# KiCad board antmicro-hdmi-mipi-bridge-hw.kicad_pcb (continued)
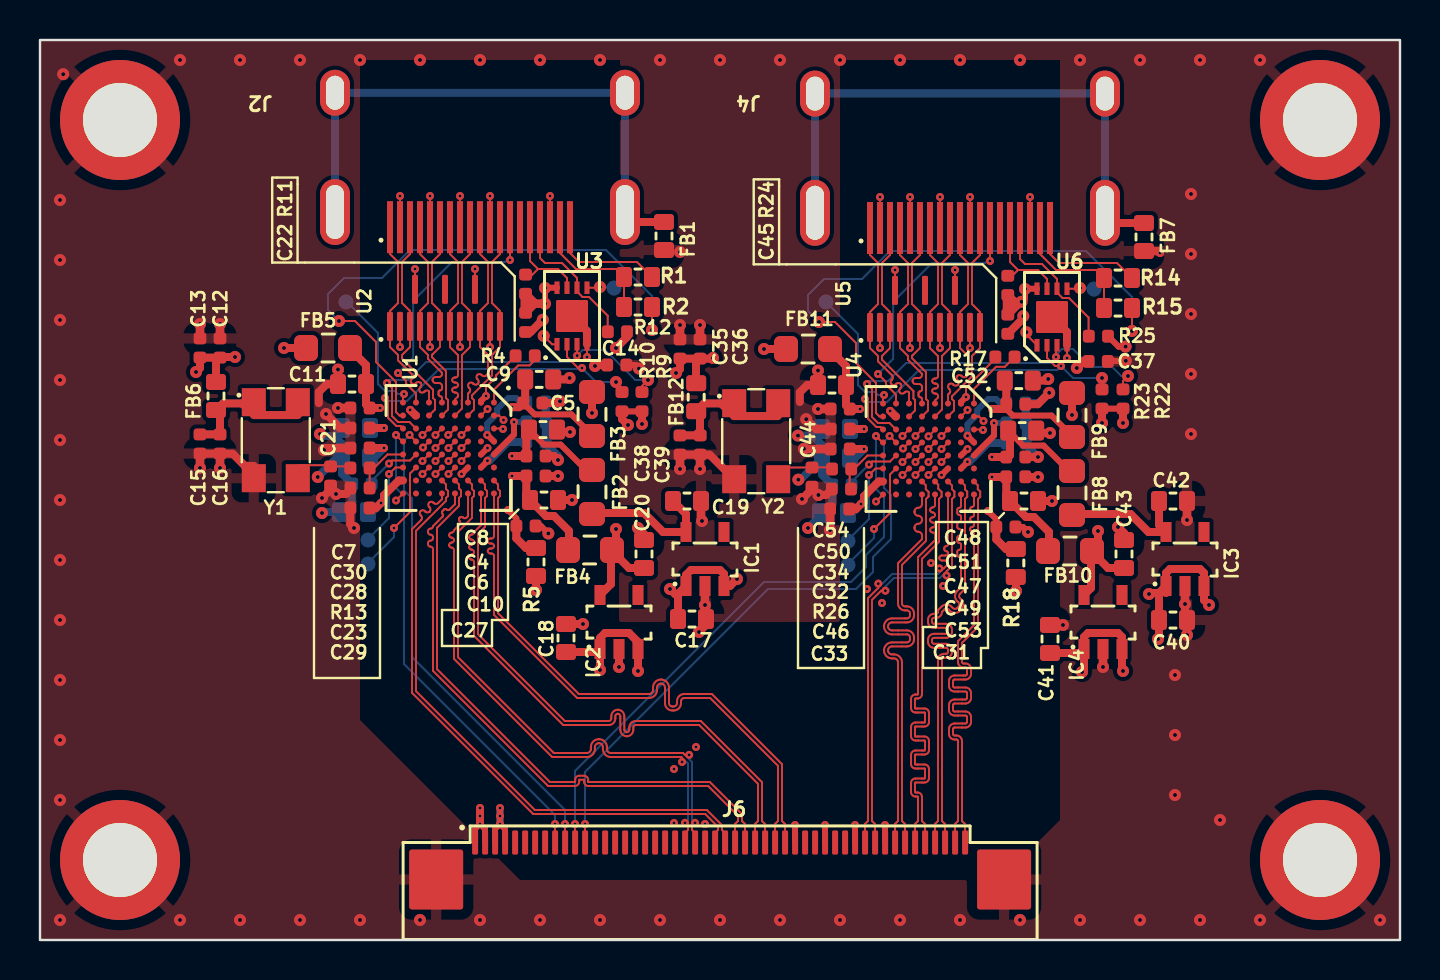
[diagram p0: board, top side]
## Routing (per net, layer and track width the routed paths; a pad name or vN(x,y) marks a point on that pad's centre or on a via; arc(x,y) is an arc through that point) (continued)
/Channel 2/HDMI2_DDC_SDA_3V3: length 18.9
  Top w0.1: 54.15,27.53 54.15,27.95 v2(54.4,28.2) ; 42.8,25.53 42.47,25.85 41.9,25.85 41.6,26.15 41.6,27.56 v1(41.35,27.8) ; v1(50.8,29.15) 50.8,29.69
  Bottom w0.1: v1(41.35,27.8) 41.5,27.95 42.41,27.95 43.31,28.85 50.5,28.85 v1(50.8,29.15) 50.8,29.25 51.1,29.55 51.65,29.55 52.55,28.65 53.61,28.65 54.06,28.2 v2(54.4,28.2)
/Channel 2/HDMI2_HPD: length 5.9
  Top w0.1: 50.5,35.59 50.5,34.3 50.95,33.85 53.85,33.85 R14.2
/Channel 2/HDMI2_HPDI: length 29.1
  Top w0.1: 42.15,26.17 41.97,26.17 41.8,26.35 41.8,27.85 40.8,28.85 40.8,29.85 39.75,30.9 v2(38.95,30.9) ; R15.2 v2(54.6,30.45)
  Bottom w0.1: v2(54.6,30.45) 54.6,32.15 52.3,34.45 42.5,34.45 41.1,33.05 39.2,33.05 38.4,32.25 38.4,31.45 v2(38.95,30.9)
/Channel 2/HDMI2_HPDO: length 6.8
  Top w0.1: v1(42.2,27.25) 42.22,27.25 42.15,27.18 42.15,26.83
  Bottom w0.1: TP7.1 40.9,30.3 40.9,27.75 41.25,27.4 41.75,27.4 41.9,27.25 v1(42.2,27.25)
/Channel 2/HDMI2_POWER: length 6.5
  Top w0.1: 50,35.59 50,34.3 50.8,33.5 52.8,33.5 R14.1 R15.1
CH1_1V2: length 7.5
  Top w0.4: IC2.5 28.55,17.8 28.55,19.5 29.45,18.6 C20.2 ; v2(28.8,20.55) 28.8,19.75 ; v2(27.6,26.35) 27.6,27.35 ; 13.35,29.6 v2(12.2,29.6)
CH1_2V5: length 6.9
  Top w0.4: C19.2 32.3,21.3 IC1.5 31.15,20.4 30.2,21.35 27.6,21.35
CH2_1V2: length 7.2
  Top w0.4: C43.2 53.4,18.6 52.55,19.45 52.55,17.6 IC4.5 ; v2(51.6,26.25) 51.6,27.3 ; 37.35,29.55 v2(36.2,29.55) ; v2(52.9,20.45) 52.9,19.8
CH2_2V5: length 6.8
  Top w0.4: C42.2 55.95,20.75 IC3.5 55.43,20.4 54.53,21.3 51.6,21.3
CSI1_CLK_N: length 27.9
  Top w0.1: 32.75,5.35 32.6,5.5 32.6,5.71 v1(32.75,5.86) ; 21.4,22.97 21.6,22.78 21.6,22.55 21.7,22.45 21.7,22.2 21.6,22.1 21.6,21.11 20.9,20.41 20.9,14.14 25.69,9.35 27.35,9.35 arc(27.49,9.41) 27.55,9.55 27.55,9.65 arc(27.66,9.92) 27.94,10.04 27.95,10.04 arc(28.23,9.92) 28.35,9.65 28.35,9.55 arc(28.4,9.41) 28.54,9.35 32.15,9.35 32.24,9.26 v1(32.46,9.26)
  Bottom w0.1: v1(32.75,5.86) 32.6,6.01 32.6,8.9 32.46,9.04 v1(32.46,9.26)
CSI1_CLK_P: length 27.9
  Top w0.1: 32.25,5.35 32.4,5.5 32.4,5.71 v1(32.25,5.86) ; 21.4,22.33 21.4,21.19 21.33,21.12 arc(21.24,21.09) 21.16,21.12 arc(21.07,21.16) 20.99,21.12 20.98,21.12 arc(20.94,21.03) 20.98,20.94 arc(21.02,20.86) 20.98,20.77 20.7,20.49 arc(20.66,20.41) 20.58,20.37 arc(20.49,20.33) 20.46,20.25 20.46,20.24 arc(20.49,20.16) 20.58,20.12 arc(20.66,20.08) 20.7,20 20.7,19.99 arc(20.66,19.91) 20.58,19.87 arc(20.49,19.83) 20.46,19.75 20.46,19.74 arc(20.49,19.66) 20.58,19.62 arc(20.66,19.58) 20.7,19.5 20.7,14.06 25.61,9.15 27.35,9.15 arc(27.63,9.27) 27.75,9.55 27.75,9.65 arc(27.8,9.78) 27.94,9.84 27.95,9.84 arc(28.09,9.78) 28.15,9.65 28.15,9.55 arc(28.26,9.27) 28.54,9.15 32.07,9.15 32.1,9.11 v1(32.1,8.9)
  Bottom w0.1: v1(32.1,8.9) 32.32,8.9 32.4,8.82 32.4,6.01 v1(32.25,5.86)
CSI1_D1_N: length 29.8
  Top w0.1: 20.1,22.97 20.3,22.78 20.3,22.55 20.4,22.45 20.4,22.2 20.3,22.1 20.3,21.96 18.8,20.46 18.8,12.44 24.74,6.5 33.34,6.5 34.1,5.74 34.1,5.5 34.25,5.35
CSI1_D1_P: length 29.8
  Top w0.1: 33.75,5.35 33.9,5.5 33.9,5.66 33.26,6.3 24.66,6.3 18.6,12.36 18.6,20.54 19.06,21 arc(19.1,21.1) 19.06,21.21 19.03,21.23 arc(18.99,21.34) 19.03,21.44 arc(19.14,21.49) 19.24,21.44 19.27,21.42 arc(19.37,21.38) 19.48,21.42 arc(19.52,21.53) 19.48,21.63 19.46,21.66 arc(19.41,21.76) 19.46,21.87 arc(19.56,21.91) 19.67,21.87 19.69,21.85 arc(19.8,21.8) 19.9,21.85 20.1,22.04 20.1,22.33
CSI1_D2_N: length 30.2
  Top w0.1: 35.25,4.9 35.25,5.8 35.1,5.95 35.1,6.29 33.49,7.9 27.41,7.9 arc(27.41,7.9) 27.41,7.91 27.41,8.01 arc(27.35,8.15) 27.2,8.21 26.96,8.21 arc(26.82,8.15) 26.76,8.01 26.76,7.91 arc(26.75,7.9) 26.75,7.9 25.49,7.9 19.85,13.54 19.85,20.61 20.95,21.71 20.95,22.1 21.05,22.2 21.05,22.48 20.95,22.58 20.95,22.78 U1.D7
CSI1_D2_P: length 30.2
  Top w0.1: 34.75,4.9 34.75,5.8 34.9,5.95 34.9,6.21 33.41,7.7 27.41,7.7 arc(27.27,7.76) 27.21,7.91 27.21,8.01 arc(27.2,8.01) 27.2,8.01 26.96,8.01 arc(26.96,8.01) 26.96,8.01 26.96,7.91 arc(26.9,7.76) 26.75,7.7 25.41,7.7 19.65,13.46 19.65,19.54 arc(19.61,19.63) 19.53,19.67 arc(19.44,19.7) 19.4,19.79 19.4,19.84 arc(19.44,19.93) 19.53,19.97 arc(19.61,20) 19.65,20.09 19.65,20.14 arc(19.61,20.23) 19.53,20.27 arc(19.44,20.3) 19.4,20.39 19.4,20.44 arc(19.44,20.53) 19.53,20.57 arc(19.61,20.6) 19.65,20.69 20.13,21.17 arc(20.16,21.24) 20.13,21.31 arc(20.1,21.38) 20.13,21.45 20.2,21.52 arc(20.27,21.55) 20.34,21.52 arc(20.41,21.49) 20.48,21.52 20.75,21.79 20.75,22.33
CSI1_D3_N: length 30
  Top w0.1: 36.25,4.9 36.25,5.8 36.1,5.95 36.1,7.89 33.04,10.95 29.79,10.95 arc(29.56,10.85) 29.47,10.62 29.47,10.51 arc(29.43,10.42) 29.34,10.39 arc(29.25,10.42) 29.22,10.51 29.22,11.19 arc(29.12,11.42) 28.89,11.51 arc(28.66,11.42) 28.56,11.19 28.56,11.08 arc(28.53,10.99) 28.44,10.95 26.24,10.95 21.9,15.29 21.9,20.31 22.25,20.66 22.25,22.1 22.35,22.2 22.35,22.45 22.25,22.55 22.25,22.78 22.05,22.97
CSI1_D3_P: length 30
  Top w0.1: 22.05,22.33 22.05,20.74 21.7,20.39 arc(21.66,20.31) 21.58,20.27 arc(21.49,20.23) 21.46,20.15 21.46,20.14 arc(21.49,20.06) 21.58,20.02 arc(21.66,19.98) 21.7,19.9 21.7,19.89 arc(21.66,19.81) 21.58,19.77 arc(21.49,19.73) 21.46,19.65 21.46,19.64 arc(21.49,19.56) 21.58,19.52 arc(21.66,19.48) 21.7,19.4 21.7,19.39 arc(21.66,19.31) 21.58,19.27 arc(21.49,19.23) 21.46,19.15 21.46,19.14 arc(21.49,19.06) 21.58,19.02 arc(21.66,18.98) 21.7,18.9 21.7,15.21 26.16,10.75 28.44,10.75 arc(28.67,10.85) 28.76,11.08 28.76,11.19 arc(28.8,11.28) 28.89,11.31 arc(28.98,11.28) 29.01,11.19 29.01,10.51 arc(29.11,10.28) 29.34,10.19 arc(29.57,10.28) 29.66,10.51 29.66,10.62 arc(29.7,10.71) 29.79,10.75 32.96,10.75 35.9,7.81 35.9,5.95 35.75,5.8 35.75,4.9
CSI1_D4_N: length 30
  Top w0.1: 22.7,22.97 22.9,22.78 22.9,22.55 23,22.45 23,22.2 22.9,22.1 22.9,16.34 26.94,12.3 30.45,12.3 arc(30.59,12.36) 30.65,12.5 30.65,12.62 arc(30.77,12.91) 31.05,13.02 arc(31.33,12.91) 31.45,12.62 31.45,11.84 arc(31.5,11.72) 31.61,11.68 31.69,11.68 arc(31.8,11.72) 31.85,11.84 31.85,11.94 arc(31.96,12.19) 32.21,12.3 33.59,12.3 37.1,8.79 37.1,5.95 37.25,5.8 37.25,4.9
CSI1_D4_P: length 30
  Top w0.1: 22.7,22.33 22.7,20.2 arc(22.66,20.11) 22.57,20.08 22.51,20.08 arc(22.43,20.04) 22.39,19.95 arc(22.43,19.86) 22.51,19.83 22.57,19.83 arc(22.66,19.79) 22.7,19.7 arc(22.66,19.61) 22.57,19.58 22.51,19.58 arc(22.43,19.54) 22.39,19.45 arc(22.43,19.36) 22.51,19.33 22.57,19.33 arc(22.66,19.29) 22.7,19.2 22.7,16.26 26.86,12.1 30.45,12.1 arc(30.73,12.22) 30.85,12.5 30.85,12.62 arc(30.91,12.76) 31.05,12.82 arc(31.19,12.76) 31.25,12.62 31.25,11.84 arc(31.36,11.58) 31.61,11.48 31.69,11.48 arc(31.94,11.58) 32.05,11.84 32.05,11.94 arc(32.1,12.05) 32.21,12.1 33.51,12.1 36.9,8.71 36.9,5.95 36.75,5.8 36.75,4.9
CSI3_CLK_N: length 21.5
  Top w0.1: 41.75,4.9 41.75,5.8 41.6,5.95 41.6,17.01 42.06,17.46 v1(42.27,17.46) ; v1(45.33,18.22) 45.33,18.44 45.6,18.71 45.6,22.05 45.72,22.17 45.72,22.42 45.6,22.54 45.6,22.72 45.4,22.92
  Bottom w0.1: v1(45.33,18.22) 45.11,18.22 44.99,18.1 42.69,18.1 42.27,17.68 v1(42.27,17.46)
CSI3_CLK_P: length 21.6
  Top w0.1: v1(44.97,18.58) 45.19,18.58 45.4,18.79 45.4,18.85 arc(45.36,18.94) 45.28,18.97 45.09,18.97 arc(45,19.01) 44.96,19.1 arc(45,19.19) 45.09,19.22 45.28,19.22 arc(45.36,19.26) 45.4,19.35 arc(45.37,19.42) 45.31,19.44 arc(45.24,19.47) 45.21,19.54 45.21,19.6 arc(45.24,19.67) 45.31,19.69 arc(45.37,19.72) 45.4,19.79 U4.C8 ; v1(41.91,17.82) 41.91,17.61 41.4,17.09 41.4,5.95 41.25,5.8 41.25,4.9
  Bottom w0.1: v1(44.97,18.58) 44.97,18.36 44.91,18.3 42.61,18.3 42.13,17.82 v1(41.91,17.82)
CSI3_D1_N: length 22.8
  Top w0.1: 44.1,22.92 44.29,22.73 44.29,22.54 44.43,22.4 44.43,22.18 44.3,22.05 44.3,19.96 43.1,18.76 43.1,16.83 arc(43.14,16.72) 43.25,16.68 43.35,16.68 arc(43.6,16.58) 43.7,16.33 43.7,16.23 arc(43.6,15.98) 43.35,15.88 42.6,15.88 arc(42.46,15.82) 42.4,15.68 arc(42.46,15.54) 42.6,15.48 43.35,15.48 arc(43.6,15.38) 43.7,15.13 43.7,15.03 arc(43.6,14.78) 43.35,14.68 42.6,14.68 arc(42.46,14.62) 42.4,14.48 arc(42.46,14.34) 42.6,14.28 42.7,14.28 arc(42.98,14.16) 43.1,13.88 43.1,5.95 43.25,5.8 43.25,4.9
CSI3_D1_P: length 22.8
  Top w0.1: U4.E8 44.1,21.8 arc(44.04,21.67) 43.91,21.61 arc(43.78,21.56) 43.72,21.42 43.72,21.4 arc(43.78,21.27) 43.91,21.21 arc(44.04,21.16) 44.1,21.02 44.1,21 arc(44.04,20.87) 43.91,20.81 arc(43.78,20.76) 43.72,20.62 43.72,20.6 arc(43.78,20.47) 43.91,20.41 arc(44.04,20.36) 44.1,20.22 44.1,20.04 42.9,18.84 42.9,16.83 arc(43,16.58) 43.25,16.48 43.35,16.48 arc(43.46,16.44) 43.5,16.33 43.5,16.23 arc(43.46,16.12) 43.35,16.08 42.6,16.08 arc(42.32,15.96) 42.2,15.68 arc(42.32,15.4) 42.6,15.28 43.35,15.28 arc(43.46,15.24) 43.5,15.13 43.5,15.03 arc(43.46,14.92) 43.35,14.88 42.6,14.88 arc(42.32,14.76) 42.2,14.48 arc(42.32,14.2) 42.6,14.08 42.7,14.08 arc(42.84,14.02) 42.9,13.88 42.9,5.95 42.75,5.8 42.75,4.9
CSI3_D2_N: length 22.7
  Top w0.1: 44.25,4.9 44.25,5.8 44.1,5.95 44.1,7.15 arc(44.03,7.31) 43.88,7.38 43.78,7.38 arc(43.76,7.38) 43.75,7.4 43.75,7.85 arc(43.76,7.87) 43.78,7.88 44.22,7.88 arc(44.38,7.94) 44.45,8.1 44.45,8.55 arc(44.38,8.71) 44.22,8.78 43.78,8.78 arc(43.76,8.78) 43.75,8.8 43.75,9.25 arc(43.76,9.27) 43.78,9.28 44.22,9.28 arc(44.38,9.34) 44.45,9.5 44.45,9.95 arc(44.38,10.11) 44.22,10.17 43.78,10.17 arc(43.76,10.18) 43.75,10.2 43.75,10.65 arc(43.76,10.67) 43.78,10.67 44.22,10.67 arc(44.38,10.74) 44.45,10.9 44.45,11.35 arc(44.38,11.51) 44.22,11.58 43.78,11.58 arc(43.76,11.58) 43.75,11.6 43.75,12.05 arc(43.76,12.07) 43.78,12.08 43.88,12.08 arc(44.03,12.14) 44.1,12.3 44.1,19.06 44.95,19.91 44.95,22.05 45.08,22.18 45.08,22.4 44.91,22.57 44.91,22.77 44.75,22.92
CSI3_D2_P: length 22.7
  Top w0.1: 44.75,22.28 44.75,21.75 arc(44.71,21.66) 44.63,21.63 arc(44.54,21.59) 44.51,21.51 44.51,21.5 arc(44.54,21.41) 44.63,21.38 arc(44.71,21.34) 44.75,21.26 44.75,21.25 arc(44.71,21.16) 44.63,21.13 arc(44.54,21.09) 44.51,21.01 44.51,21 arc(44.54,20.91) 44.63,20.88 arc(44.71,20.84) 44.75,20.76 44.75,20.75 arc(44.71,20.66) 44.63,20.63 arc(44.54,20.59) 44.51,20.51 44.51,20.5 arc(44.54,20.41) 44.63,20.38 arc(44.71,20.34) 44.75,20.26 44.75,19.99 43.9,19.14 43.9,12.3 arc(43.89,12.28) 43.88,12.28 43.78,12.28 arc(43.62,12.21) 43.55,12.05 43.55,11.6 arc(43.62,11.44) 43.78,11.38 44.22,11.38 arc(44.24,11.37) 44.25,11.35 44.25,10.9 arc(44.24,10.88) 44.22,10.88 43.78,10.88 arc(43.62,10.81) 43.55,10.65 43.55,10.2 arc(43.62,10.04) 43.78,9.97 44.22,9.97 arc(44.24,9.97) 44.25,9.95 44.25,9.5 arc(44.24,9.48) 44.22,9.47 43.78,9.47 arc(43.62,9.41) 43.55,9.25 43.55,8.8 arc(43.62,8.64) 43.78,8.58 44.22,8.58 arc(44.24,8.57) 44.25,8.55 44.25,8.1 arc(44.24,8.08) 44.22,8.08 43.78,8.08 arc(43.62,8.01) 43.55,7.85 43.55,7.4 arc(43.62,7.24) 43.78,7.17 43.88,7.17 arc(43.89,7.17) 43.9,7.15 43.9,5.95 43.75,5.8 43.75,4.9
CSI3_D3_N: length 22.6
  Top w0.1: 45.25,4.9 45.25,5.8 45.1,5.95 45.1,14.01 arc(45.13,14.08) 45.2,14.11 45.3,14.11 arc(45.51,14.2) 45.6,14.41 45.6,14.51 arc(45.51,14.72) 45.3,14.81 44.7,14.81 arc(44.63,14.84) 44.6,14.91 44.6,15.01 arc(44.63,15.08) 44.7,15.11 45.3,15.11 arc(45.51,15.2) 45.6,15.41 45.6,15.51 arc(45.51,15.72) 45.3,15.81 44.7,15.81 arc(44.63,15.84) 44.6,15.91 44.6,16.01 arc(44.63,16.08) 44.7,16.11 44.8,16.11 arc(45.01,16.2) 45.1,16.41 45.22,16.53 arc(45.32,16.57) 45.43,16.53 45.5,16.46 arc(45.75,16.35) 46,16.46 46.07,16.53 arc(46.17,16.77) 46.07,17.02 46,17.09 arc(45.95,17.2) 46,17.3 46.25,17.56 46.25,22.05 46.36,22.16 46.36,22.42 46.25,22.53 46.25,22.72 46.05,22.92
CSI3_D3_P: length 22.7
  Top w0.1: 44.75,4.9 44.75,5.8 44.9,5.95 44.9,14.01 arc(44.99,14.22) 45.2,14.31 45.3,14.31 arc(45.37,14.34) 45.4,14.41 45.4,14.51 arc(45.37,14.58) 45.3,14.61 44.7,14.61 arc(44.49,14.7) 44.4,14.91 44.4,15.01 arc(44.49,15.22) 44.7,15.31 45.3,15.31 arc(45.37,15.34) 45.4,15.41 45.4,15.51 arc(45.37,15.58) 45.3,15.61 44.7,15.61 arc(44.49,15.7) 44.4,15.91 44.4,16.01 arc(44.49,16.22) 44.7,16.31 44.8,16.31 arc(44.87,16.34) 44.9,16.41 44.9,16.49 45.08,16.67 arc(45.32,16.77) 45.57,16.67 45.64,16.6 arc(45.75,16.55) 45.85,16.6 45.93,16.67 arc(45.97,16.77) 45.93,16.88 45.85,16.95 arc(45.75,17.2) 45.85,17.45 46.05,17.64 46.05,19.06 arc(46.02,19.13) 45.96,19.16 arc(45.89,19.18) 45.86,19.25 45.86,19.41 arc(45.89,19.48) 45.96,19.51 arc(46.02,19.53) 46.05,19.6 46.05,19.76 arc(46.02,19.83) 45.96,19.86 arc(45.89,19.88) 45.86,19.95 45.86,20.11 arc(45.89,20.18) 45.96,20.21 arc(46.02,20.23) 46.05,20.3 46.05,20.46 arc(46.02,20.53) 45.96,20.56 arc(45.89,20.58) 45.86,20.65 45.86,20.81 arc(45.89,20.88) 45.96,20.91 arc(46.02,20.93) 46.05,21 46.05,21.16 arc(46.02,21.23) 45.96,21.26 arc(45.89,21.28) 45.86,21.35 45.86,21.51 arc(45.89,21.58) 45.96,21.61 arc(46.02,21.63) 46.05,21.7 U4.B8
CSI3_D4_N: length 22.9
  Top w0.1: 46.7,22.92 46.89,22.73 46.89,22.54 47.01,22.42 47.01,22.16 46.9,22.05 46.9,15.66 46.1,14.86 46.1,13.9 arc(46.12,13.85) 46.18,13.83 46.28,13.83 arc(46.47,13.74) 46.55,13.55 46.55,13.3 arc(46.47,13.11) 46.28,13.03 45.72,13.03 arc(45.67,13) 45.65,12.95 45.65,12.7 arc(45.67,12.65) 45.72,12.62 46.28,12.62 arc(46.47,12.54) 46.55,12.35 46.55,12.1 arc(46.47,11.91) 46.28,11.83 45.72,11.83 arc(45.67,11.8) 45.65,11.75 45.65,11.5 arc(45.67,11.45) 45.72,11.42 46.28,11.42 arc(46.47,11.34) 46.55,11.15 46.55,10.9 arc(46.47,10.71) 46.28,10.62 45.72,10.62 arc(45.67,10.6) 45.65,10.55 45.65,10.3 arc(45.67,10.25) 45.72,10.22 45.82,10.22 arc(46.02,10.14) 46.1,9.95 46.1,5.95 46.25,5.8 46.25,4.9
CSI3_D4_P: length 23
  Top w0.1: U4.A8 46.7,21.75 arc(46.67,21.68) 46.61,21.66 arc(46.54,21.63) 46.51,21.56 46.51,21.5 arc(46.54,21.43) 46.61,21.41 arc(46.67,21.38) 46.7,21.31 46.7,21.25 arc(46.67,21.18) 46.61,21.16 arc(46.54,21.13) 46.51,21.06 46.51,21 arc(46.54,20.93) 46.61,20.91 arc(46.67,20.88) 46.7,20.81 46.7,20.75 arc(46.67,20.68) 46.61,20.66 arc(46.54,20.63) 46.51,20.56 46.51,20.5 arc(46.54,20.43) 46.61,20.41 arc(46.67,20.38) 46.7,20.31 46.7,20.25 arc(46.67,20.18) 46.61,20.16 arc(46.54,20.13) 46.51,20.06 46.51,20 arc(46.54,19.93) 46.61,19.91 arc(46.67,19.88) 46.7,19.81 46.7,15.74 45.9,14.94 45.9,13.9 arc(45.98,13.71) 46.18,13.62 46.28,13.62 arc(46.33,13.6) 46.35,13.55 46.35,13.3 arc(46.33,13.25) 46.28,13.22 45.72,13.22 arc(45.53,13.14) 45.45,12.95 45.45,12.7 arc(45.53,12.51) 45.72,12.42 46.28,12.42 arc(46.33,12.4) 46.35,12.35 46.35,12.1 arc(46.33,12.05) 46.28,12.03 45.72,12.03 arc(45.53,11.94) 45.45,11.75 45.45,11.5 arc(45.53,11.31) 45.72,11.22 46.28,11.22 arc(46.33,11.2) 46.35,11.15 46.35,10.9 arc(46.33,10.85) 46.28,10.83 45.72,10.83 arc(45.53,10.74) 45.45,10.55 45.45,10.3 arc(45.53,10.11) 45.72,10.03 45.82,10.03 arc(45.88,10) 45.9,9.95 45.9,5.95 45.75,5.8 45.75,4.9
I2C1_SCL: length 24.1
  Top w0.1: 18.12,24.92 v1(17.8,25.25) ; 25.75,4.9 v1(25.75,5.8)
  Bottom w0.1: v1(17.8,25.25) 17.8,22.6 18.2,22.2 18.2,13.8 25.75,6.25 v1(25.75,5.8)
I2C1_SDA: length 24.3
  Top w0.1: 18.8,24.93 v1(18.48,25.25) ; 26.25,4.9 v1(26.25,5.8)
  Bottom w0.1: v1(26.25,5.8) 26.25,6.5 18.6,14.15 18.6,22.08 18.2,22.48 18.2,24.97 v1(18.48,25.25)
I2C3_SCL: length 29.9
  Top w0.1: 42.12,24.88 v1(41.8,25.2) ; 26.75,4.9 v1(26.75,5.8)
  Bottom w0.1: v1(41.8,25.2) 41.8,22.55 42.2,22.15 42.2,20.15 41.3,19.25 41.3,18.65 40.55,17.9 36.2,17.9 26.75,8.45 v1(26.75,5.8)
I2C3_SDA: length 29.9
  Top w0.1: 42.8,24.88 v1(42.48,25.2) ; 27.25,4.9 v1(27.25,5.8)
  Bottom w0.1: v1(27.25,5.8) 27.25,8.4 36.4,17.55 40.8,17.55 41.65,18.4 41.65,19.15 42.55,20.05 42.55,22.25 42.2,22.6 42.2,24.92 v1(42.48,25.2)
Net-(C5-Pad1): length 11
  Top w0.1: 20.75,25.56 20.44,25.25 v1(20.41,25.25) ; 22.05,26.22 v1(22.38,26.55)
  Top w0.3: 27.6,25.25 26.57,26.28 24.73,26.28 C5.1
  Top w0.4: C9.2 24.26,26.95 C5.1 23.95,26.64 v1(23.59,26.64)
  In2.Cu w0.4: v1(20.41,25.25) 20.41,25.81 21.15,26.55 v1(22.38,26.55) 22.55,26.72 23.38,26.72 23.46,26.64 v1(23.59,26.64)
Net-(C10-Pad2): length 11.8
  Top w0.1: 19.45,23.62 v1(19.12,23.3)
  Top w0.3: 21.4,23.62 v1(21.07,23.3)
  Top w0.4: v1(23.6,23.2) 24.31,23.2 24.31,22.19 C10.2 25.3,21.2 25.7,21.2 26.45,20.45 26.45,19.5
  In2.Cu w0.4: v1(19.12,23.3) 19.12,23.24 19.57,22.8 20.7,22.8 21.07,23.17 v1(21.07,23.3) 21.57,22.8 23.2,22.8 v1(23.6,23.2)
Net-(C27-Pad2): length 17.9
  Top w0.1: 19.45,24.28 v1(19.12,23.95) ; 21.4,25.58 v1(21.07,25.25)
  Top w0.3: v1(23.4,21.5) 23.81,21.08 23.81,20.7
  Top w0.4: R5.1 24.3,19.6 23.81,20.08 23.81,20.7
  In2.Cu w0.4: v1(21.07,25.25) 21.25,25.25 21.7,24.8 21.7,23.8 22.2,23.3 22.99,23.3 23.39,23.7 23.9,23.7 24.1,23.5 24.1,22.2 v1(23.4,21.5) 19,21.5 18.62,21.88 18.62,23.51 19.07,23.95 v1(19.12,23.95)
Net-(C31-Pad2): length 17.9
  Top w0.1: U4.C3 v1(45.07,25.2) ; 43.45,24.22 v1(43.12,23.9)
  Top w0.3: C31.2 47.81,21.03 v1(47.4,21.45)
  Top w0.4: C31.2 47.81,20.03 48.3,19.55 48.8,19.55
  In2.Cu w0.4: v1(43.12,23.9) 43.07,23.9 42.62,23.46 42.62,21.83 43,21.45 v1(47.4,21.45) 48.1,22.15 48.1,23.45 47.9,23.65 47.39,23.65 46.99,23.25 46.2,23.25 45.7,23.75 45.7,24.75 45.25,25.2 v1(45.07,25.2)
Net-(C48-Pad1): length 11.1
  Top w0.1: 44.75,25.51 v1(44.43,25.19) ; U4.B2 v1(46.38,26.5)
  Top w0.3: 48.31,26.55 48.65,26.22 50.58,26.22 51.6,25.2
  Top w0.4: v1(47.6,26.55) 48.31,26.55 48.31,27.89 C52.2
  In2.Cu w0.4: v1(44.43,25.19) 44.43,25.78 45.15,26.5 v1(46.38,26.5) 46.55,26.67 47.38,26.67 47.51,26.55 v1(47.6,26.55)
Net-(C49-Pad1): length 11.8
  Top w0.1: 43.45,23.58 v1(43.12,23.25)
  Top w0.3: U4.C6 v1(45.07,23.25)
  Top w0.4: 50.45,19.45 50.45,20.4 49.7,21.15 49.3,21.15 C53.2 48.31,22.14 48.31,23.15 v1(47.6,23.15)
  In2.Cu w0.4: v1(43.12,23.25) 43.12,23.19 43.57,22.75 44.7,22.75 45.07,23.12 v1(45.07,23.25) 45.57,22.75 47.2,22.75 v1(47.6,23.15)
Net-(FB1-Pad2): length 27.9
  Top w0.4: FB1.2 29.75,35.9
  Bottom w0.4: 29.25,36.4 29.25,42.36 J2.SH J2.SH
Net-(FB7-Pad2): length 27.9
  Top w0.4: FB7.2 53.75,35.85
  Bottom w0.4: 53.25,36.37 53.25,42.33 38.75,42.33 38.75,36.37
Net-(U1A-EDID_SCL): length 4.5
  Top w0.1: 18.15,23.62 17.78,23.62 v1(17.45,23.3)
  Bottom w0.1: 16.4,20.05 17.45,21.1 v1(17.45,23.3)
Net-(U1A-EDID_SDA): length 5.8
  Top w0.1: v1(17.7,20.6) 18.5,21.4 18.5,23.33 18.8,23.62
  Bottom w0.1: v1(17.7,20.6) 17.7,20.15 16.4,18.85
Net-(U1B-AVDD25): length 7.7
  Top w0.3: C8.2 25.2,24.77 26.03,24.77 27.35,23.45 ; 22.05,24.28 v1(22.38,24.6)
  Top w0.4: v1(23.6,24.2) 24.31,24.2 24.31,25.39 C8.2
  In2.Cu w0.4: v1(23.6,24.2) 23.2,24.6 v1(22.38,24.6)
Net-(U1B-REXT): length 3.6
  Top w0.1: 24.97,29.22 24.48,28.73 23.91,28.73 22.7,27.52 22.7,26.88
Net-(U1B-VDDC1): length 22.8
  Top w0.4: v1(18.51,26.51) 18.79,26.22 U1.G2 ; v1(17,26.6) 16.49,26.6 16.3,26.78 C11.2 16.3,28.75 15.45,29.6 ; v2(24.8,17.5) R5.2
  In2.Cu w0.4: v1(18.51,26.51) 17.09,26.51 v1(17,26.6) 16.3,25.9 16.3,20.4 19.2,17.5 v2(24.8,17.5)
Net-(U1B-VDDIO1): length 4
  Top w0.1: 19.45,24.92 v1(19.15,24.62)
  Top w0.4: 16.49,24.6 v1(17.2,24.6)
  In2.Cu w0.4: v1(17.2,24.6) 17.22,24.62 v1(19.15,24.62)
  Bottom w0.4: R6.1 16.7,24.1 v1(17.2,24.6)
Net-(U1B-VDDIO2): length 3.2
  Top w0.4: 16.49,21.6 16.8,21.6 v1(17.05,21.85) 17.2,22 17.2,22.24 17.94,22.97 U1.H7
  Bottom w0.4: R7.1 16.6,21.4 v1(17.05,21.85)
Net-(U1C-BIASDA): length 3.7
  Top w0.3: 22.7,24.92 22.38,25.25 v1(22.36,25.25)
  Bottom w0.3: 24.31,26.9 24,26.9 23.8,27.1 23.41,27.1 22.86,26.54 22.86,26.32 22.36,25.82 v1(22.36,25.25)
Net-(U1C-DAOUT): length 2.7
  Top w0.3: v1(23.7,25.9) 23.7,25.28 22.7,24.28
  Bottom w0.3: v1(23.7,25.9) 24.31,25.9
Net-(U1C-PCKIN): length 2.8
  Top w0.3: v1(22.37,23.96) 22.37,23.95 22.05,23.62
  Bottom w0.4: v1(22.37,23.96) 22.46,23.96 23.4,24.9 24.31,24.9
Net-(U3-EN): length 1.4
  Top w0.1: 27.35,32.61 27.96,32.61 v2(28,32.65)
  Bottom w0.1: v2(28,32.65) 28.7,32.65
Net-(U4A-EDID_SCL): length 4.5
  Top w0.1: v1(41.45,23.25) 41.78,23.58 42.15,23.58
  Bottom w0.1: v1(41.45,23.25) 41.45,21.05 40.4,20
Net-(U4A-EDID_SDA): length 5.8
  Top w0.1: 42.8,23.58 42.5,23.28 42.5,21.35 v1(41.7,20.55)
  Bottom w0.1: v1(41.7,20.55) 41.7,20.1 40.4,18.8
Net-(U4B-AVDD25): length 7.6
  Top w0.3: U4.B5 v1(46.38,24.55) ; 51.35,23.55 50.18,24.72 49.16,24.72 C51.2
  Top w0.4: v1(47.6,24.15) 48.41,24.15 48.5,24.24 48.5,25.35
  In2.Cu w0.4: v1(46.38,24.55) 47.2,24.55 v1(47.6,24.15)
Net-(U4B-REXT): length 3.6
  Top w0.1: U4.A1 46.7,27.56 47.8,28.66 48.24,28.66 48.72,29.14 48.96,29.14
Net-(U4B-VDDC1): length 26.8
  Top w0.4: 39.45,29.55 40.3,28.7 C54.2 40.3,26.73 40.49,26.55 v1(41,26.55) ; v2(48.8,17.45) 48.8,18.15 ; v1(42.51,26.46) 42.79,26.17 42.8,26.17
  In2.Cu w0.4: v2(48.8,17.45) 47.15,15.8 40.3,15.8 40.3,25.85 v1(41,26.55) 41.09,26.46 v1(42.51,26.46)
Net-(U4B-VDDIO1): length 4
  Top w0.1: 43.45,24.88 v1(43.15,24.58)
  Top w0.4: 40.49,24.55 v1(41.2,24.55)
  In2.Cu w0.4: v1(43.15,24.58) 41.22,24.58 v1(41.2,24.55)
  Bottom w0.4: v1(41.2,24.55) 40.7,24.05 40.5,24.05
Net-(U4B-VDDIO2): length 3.2
  Top w0.4: 40.49,21.55 40.8,21.55 v1(41.05,21.8) 41.2,21.95 41.2,22.19 41.94,22.92 42.15,22.92
  Bottom w0.4: v1(41.05,21.8) 40.6,21.35 R20.1
Net-(U4C-BIASDA): length 3.7
  Top w0.3: U4.A4 46.38,25.2 v1(46.38,25.21)
  Bottom w0.3: v1(46.38,25.21) 46.38,25.79 46.86,26.27 46.86,26.49 47.41,27.05 47.8,27.05 48,26.85 48.31,26.85
Net-(U4C-DAOUT): length 2.7
  Top w0.3: v1(47.7,25.85) 47.7,25.22 U4.A5
  Bottom w0.3: v1(47.7,25.85) 48.31,25.85
Net-(U4C-PCKIN): length 2.8
  Top w0.3: v1(46.37,23.91) 46.37,23.9 U4.B6
  Bottom w0.4: v1(46.37,23.91) 46.46,23.91 47.4,24.85 48.31,24.85
Net-(U6-EN): length 1.4
  Top w0.1: v2(52,32.6) 51.96,32.56 51.35,32.56
  Bottom w0.1: v2(52,32.6) 52.7,32.6
Net-(Y1-EN): length 6.1
  Top w0.4: 8,25.28 9,25.28 9,26.28 ; 10.46,26.47 10.11,26.83 9.16,26.83 8.8,26.47 ; 10.69,26.25 12.89,26.25
Net-(Y1-OUT): length 2.5
  Top w0.1: 14.58,23.71 14.54,23.74 12.92,23.74 12.89,23.71 ; 14.6,23.69 15.43,23.69
Net-(Y2-EN): length 6.2
  Top w0.4: 32.8,26.42 33.21,26.83 34.06,26.83 34.46,26.42 ; 32,25.23 33,25.23 33,26.22 ; 34.69,26.2 36.89,26.2
Net-(Y2-OUT): length 2.8
  Top w0.1: 36.89,23.11 37.41,23.62 C44.2 38.6,23.64 ; 38.6,23.64 39.43,23.64 ; 38.6,23.64 38.58,23.66

## Copper pours and planes (outline as drawn; the poured copper is in the pictures)
+3V3 on In2.Cu: 68,0 0,0 0,45 68,45
+5V on In2.Cu: 54,29.2 50.55,29.2 48.75,31 48.75,34.05 34.05,34.05 29.3,29.35 26.5,29.35 22.75,33.1 22.75,34.05 6.95,34.05 6.95,22.3 22.4,6.85 22.4,0 0,0 0,45 54,45
GND on Top: 68,0 0,0 0,45 68,45
GND on Bottom: 68,0 0,0 0,45 68,45
GND on In1.Cu: 23.93,21.08 16.95,21.08 16.95,28.1 23.93,28.1
GND on In1.Cu: 68,0 0,0 0,45 68,45
GND on In2.Cu: 34.1,4.9 30.8,4.9 30.8,9.95 34.1,9.95
GND on In2.Cu: 46.3,16.55 41.25,16.55 41.25,19.1 46.3,19.1
CH1_1V2 on In2.Cu: 23.95,30.65 29.95,24.65 29.95,19.9 27.65,19.9 27.65,24 23.5,28.15 11.3,28.15 11.3,30.65
CH2_1V2 on In2.Cu: 47.95,30.6 53.95,24.6 53.95,19.85 51.65,19.85 51.65,23.95 47.5,28.1 35.3,28.1 35.3,30.6

## Text on the board
B.Silkscreen: PCB SHA: ########
F.Mask: Rev. ${REVISION} | HDMI MIPI Bridge
